# Altium PCB Reefing System Layout.PcbDoc (part 3 of 3)
Units mil, origin at the board's own origin, x right, y up, seen from the top; angles counter-clockwise.
Board outline 5531.5 x 3129.92 mil, 4 copper layers (Top Layer, Mid-Layer 1, Mid-Layer 2, Bottom Layer), stack 62.135 mil thick; 116 components, 90 nets, 494 pads, 985 vias.
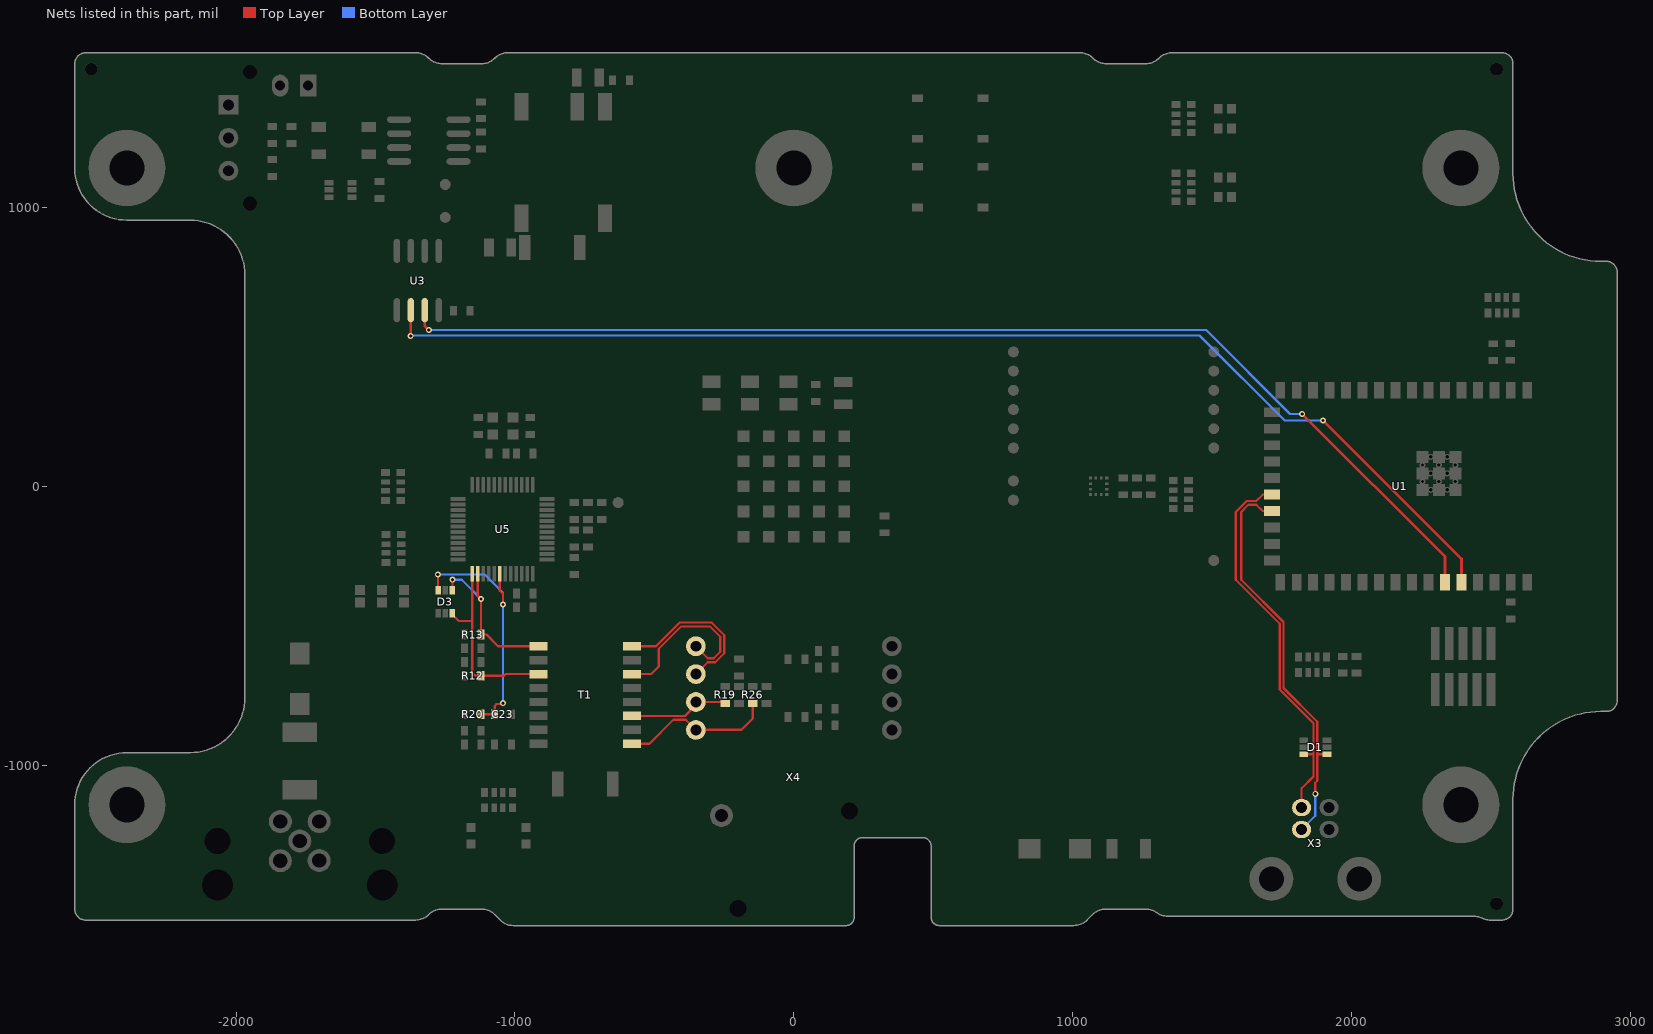
[diagram p5: the nets of this part, all layers, seen from the top]

## Via types
v1: diameter 21.65, hole 11.81, Top Layer to Bottom Layer, tented both sides, 902 vias
v2: diameter 24, hole 11.81, Top Layer to Bottom Layer, tented both sides, 80 vias
v3: diameter 24.41, hole 11.81, Top Layer to Bottom Layer, tented both sides, 3 vias

## Nets (pads, with @x,y where several pads share a name; then routed paths per layer and width w, separated by ;. In a path a pad name is that pad's centre, name@x,y a point inside that pad or via, vN(x,y) a via of type N, cw(c..) or ccw(c..) an arc to the next point about the centre after c; other vN are vias at no path point) (continued)
RX_P: C23.1 D3.3 R20.2 U5.6 | length 939.6
  Top Layer w8: v1(-1276.57,-315.94) -1276.08,-316.44 -1276.08,-371.55 D3.3@-1275.59,-372.05 ; R20.2@-1121.57,-816.93 C23.1@-1073.31,-816.93 -1072.83,-816.46 -1072.83,-787.4 -1066.13,-780.7 -1046.45,-780.7 v1(-1043.31,-777.56) ; U5.6@-1054.53,-312.91 -1054.53,-374.24 -1043.31,-385.46 v1(-1043.31,-423.23)
  Bottom Layer w8: v1(-1276.57,-315.94) -1108.83,-315.94 -1043.31,-381.47 v1(-1043.31,-777.56)
RXI_N: R26.1 T1.9 X4.6 | length 554.9
  Top Layer w8: T1.9@-580.51,-923.03 -518,-923.03 -432,-837.03 -387.58,-837.03 X4.6@-351.38,-873.23 -351.18,-873.03 -187.99,-873.03 -147.64,-832.68 R26.1@-147.64,-778.03
RXI_P: R19.2 T1.11 X4.3 | length 363.6
  Top Layer w8: T1.11@-580.51,-823.03 -389.96,-823.03 -351.38,-784.45 X4.3@-351.38,-773.23 -250.87,-773.23 R19.2@-246.06,-778.03
TWAI_RXD: U1.38 U3.6 | length 4277.8
  Top Layer w10: v1(-1374.02,539.37) -1373.72,539.66 -1373.72,631.59 U3.6@-1373.43,631.89 ; v1(1897.64,236.22) 2393.7,-259.84 U1.38@2393.7,-344.49
  Bottom Layer w8: v1(-1374.02,539.37) -1372.05,541.34 1454.73,541.34 1759.84,236.22 v1(1897.64,236.22)
TWAI_TXD: U1.37 U3.7 | length 4149.8
  Top Layer w10: U3.7@-1323.43,631.89 -1323.43,575.39 v1(-1309.05,561.02) ; v1(1822.83,259.84) 2334.65,-251.97 U1.37@2334.65,-344.49
  Bottom Layer w8: v1(-1309.05,561.02) 1478.35,561.02 1779.53,259.84 v1(1822.83,259.84)
TX_N: D3.6 R12.1 T1.3 U5.1 | length 685.9
  Top Layer w8: D3.6@-1224.41,-454.72 -1224.41,-460.63 -1202.76,-482.28 -1152.95,-482.28 ; U5.1@-1152.95,-312.91 -1152.95,-482.28 ; T1.3@-915.55,-673.03 -1033.46,-673.03 -1039.57,-679.13 R12.1@-1121.57,-679.13 -1141.73,-679.13 -1152.95,-667.91 -1152.95,-482.28
TX_P: D3.1 R13.1 T1.1 U5.2 | length 615.6
  Top Layer w8: D3.1@-1224.41,-372.05 v1(-1224.41,-334.64) ; U5.2@-1133.27,-312.91 -1133.27,-392.32 v1(-1121.57,-404.01) R13.1@-1121.57,-531.5 -1102.36,-531.5 -1060.83,-573.03 T1.1@-915.55,-573.03
  Bottom Layer w8: v1(-1224.41,-334.64) -1190.94,-334.64 v1(-1121.57,-404.01)
TXI_N: T1.14 X4.2 | length 608.4
  Top Layer w8: T1.14@-580.51,-673.03 -511.61,-673.03 -484.25,-645.67 -484.25,-582.68 -403.54,-501.97 -301.18,-501.97 -263.78,-539.37 -263.78,-592.61 -287.4,-616.23 -308.38,-616.23 X4.2@-351.38,-573.23
TXI_P: T1.16 X4.1 | length 582.3
  Top Layer w8: T1.16@-580.51,-573.03 -494.4,-573.03 -439.03,-517.66 -413.44,-492.07 -409.34,-487.97 -295.38,-487.97 -291.28,-492.07 -249.78,-533.57 -249.78,-598.41 -281.6,-630.23 -308.38,-630.23 X4.1@-351.38,-673.23
USB_D_N: D1.6 U1.22 X3.2 | length 1383.4
  Top Layer w8: U1.22@1714.57,-29.53 1681.04,-29.53 1658.51,-52.05 1624.12,-52.05 1584.65,-91.53 1584.65,-334.76 1742.13,-492.24 1742.13,-728.46 1863.19,-849.52 1863.19,-960.63 ; X3.2@1820.87,-1151.97 1820.87,-1082.68 1863.19,-1040.35 1863.19,-960.63 ; D1.6@1828.74,-960.63 1863.19,-960.63
USB_D_P: D1.1 U1.23 X3.3 | length 1440.4
  Top Layer w8: U1.23@1714.57,-88.58 1681.04,-88.58 1658.51,-66.05 1629.92,-66.05 1604.33,-91.65 1604.33,-334.65 1756.13,-486.44 1756.13,-722.66 1877.19,-843.72 1877.19,-960.63 ; X3.3@1820.47,-1230.31 X3.3@1820.87,-1230.71 ; v1(1870.08,-1102.36) 1870.08,-1062.99 1877.19,-1055.88 1877.19,-960.63 ; D1.1@1911.42,-960.63 1877.19,-960.63
  Bottom Layer w8: X3.3@1820.87,-1230.71 1870.08,-1181.5 v1(1870.08,-1102.36)
pads on no net: D1.3 D1.4 D1.5 D2.3 D2.4 D2.5 D3.5 R1.4 R1.5 R2.2 R2.3 R2.6 R2.7 R3.1 R3.8 R7.4 R7.5 R8.4 R8.5 R9.3 R9.4 R9.5 R9.6 R27.4 R27.5 R28.4 R28.5 T1.4 T1.5 T1.12 T1.13 U1.10 U1.11 U1.12 U1.14 U1.19 U1.27 U1.39 U1.40 U2.8 U4.5 U5.7 U5.12 U5.13 U5.18 U5.23 U5.24 U5.26 U5.38 U5.39 U5.40 U5.41 U5.42 U5.46 U5.47 U6.C1 U6.D1 U6.E1 U6.E2 U6.E5 X1.NC X2.NC X3.NC X4.NC X5.7
copper on no net:
  other v2: -2391.73,-1240.16 2391.73,-1240.16 -2429.4,-1232.66 -2354.07,-1232.66 2354.07,-1232.66 2429.4,-1232.66 -2461.33,-1211.33 -2322.14,-1211.33 2322.14,-1211.33 2461.33,-1211.33 -2482.67,-1179.4 -2300.8,-1179.4 2300.8,-1179.4 2482.67,-1179.4 -2490.16,-1141.73 -2293.31,-1141.73 2293.31,-1141.73 2490.16,-1141.73 -2482.67,-1104.07 -2300.8,-1104.07 2300.8,-1104.07 2482.67,-1104.07 -2461.33,-1072.13 -2322.14,-1072.13 2322.14,-1072.13 2461.33,-1072.13 -2429.4,-1050.8 -2354.07,-1050.8 2354.07,-1050.8 2429.4,-1050.8 -2391.73,-1043.31 2391.73,-1043.31 -2391.73,1043.31 0,1043.31 2391.73,1043.31 -2429.4,1050.8 -2354.07,1050.8 -37.67,1050.8 37.67,1050.8 2354.07,1050.8 2429.4,1050.8 -2461.33,1072.14 -2322.14,1072.14 -69.6,1072.14 69.6,1072.14 2322.14,1072.13 2461.33,1072.13 -2482.67,1104.07 -2300.8,1104.07 -90.93,1104.07 90.93,1104.07 2300.8,1104.07 2482.67,1104.07 -2490.16,1141.73 -2293.31,1141.73 -98.43,1141.73 98.43,1141.73 2293.31,1141.73 2490.16,1141.73 -2482.67,1179.4 -2300.8,1179.4 -90.93,1179.4 90.93,1179.4 2300.8,1179.4 2482.67,1179.4 -2461.33,1211.33 -2322.14,1211.33 -69.6,1211.33 69.6,1211.33 2322.14,1211.33 2461.33,1211.33 -2429.4,1232.67 -2354.07,1232.67 -37.67,1232.67 37.67,1232.67 2354.07,1232.66 2429.4,1232.66 -2391.73,1240.16 0,1240.16 2391.73,1240.16

## Polygon pours and split planes (outlines as drawn)
GND on Top Layer "GND_L01_P021" (solid, remove dead copper, pour order 21): -1968.5,679.13 -911.42,679.13 ccw(c-911.42,783.46) -807.09,783.46 -807.09,1555.12 1025.31,1555.12 cw(c1025.32,1487.94) 1072.83,1535.43 ccw(c1120.36,1582.96) 1120.36,1515.75 1261.53,1515.75 ccw(c1261.53,1582.95) 1309.06,1535.43 cw(c1356.57,1487.92) 1356.58,1555.12 2539.37,1555.12 cw(c2539.37,1515.75) 2578.74,1515.75 2578.74,1122.05 ccw(c2893.7,1122.05) 2893.7,807.09 2913.39,807.09 cw(c2913.39,767.72) 2952.76,767.72 2952.76,-767.72 cw(c2913.39,-767.72) 2913.39,-807.09 2893.7,-807.09 ccw(c2893.7,-1122.05) 2578.74,-1122.05 2578.74,-1515.75 cw(c2539.38,-1515.75) 2539.37,-1555.12 1356.58,-1555.12 cw(c1356.58,-1487.91) 1309.06,-1535.43 ccw(c1261.55,-1582.92) 1261.53,-1515.75 1120.36,-1515.75 ccw(c1120.35,-1582.93) 1072.83,-1535.43 1054.34,-1553.92 cw(c1003.94,-1503.53) 1003.94,-1574.8 629.92,-1574.8 629.92,-468.42 ccw(c493.69,-469.82) 589.03,-372.49 531.5,-314.96 ccw(c434.12,-415.64) 431.76,-275.59 -608.02,-275.59 ccw(c-611.17,-415.9) -708.17,-314.46 -768.19,-374.49 ccw(c-674.81,-468.18) -807.09,-467.96 -807.09,-1574.8 -1005.63,-1574.8 cw(c-1005.63,-1507.59) -1053.15,-1555.12 -1071.64,-1536.63 ccw(c-1122.03,-1586.98) -1122.05,-1515.75 -1261.53,-1515.75 ccw(c-1261.55,-1582.91) -1309.06,-1535.43 cw(c-1356.57,-1487.94) -1356.58,-1555.12 -2539.37,-1555.12 cw(c-2539.37,-1515.75) -2578.74,-1515.75 -2578.74,-1141.73 cw(c-2391.73,-1141.73) -2391.73,-954.72 -2165.35,-954.72 ccw(c-2165.35,-757.87) -1968.5,-757.87
NetC28_2 on Top Layer "NETC28_2_L01_P012" (solid, remove dead copper, pour order 12): -1732.28,-639.76 -1811.02,-639.76 -1830.71,-600.39 -1830.71,-541.34 -1830.71,-442.91 -1712.6,-442.91 -1712.6,-541.34 -1712.6,-600.39
EGND on Top Layer "EGND_L01_P033" (solid, remove dead copper, pour order 33): -688.98,-1574.8 -688.98,-476.52 cw(c-655.37,-476.52) -679.13,-452.76 -629.82,-403.44 cw(c-606.3,-426.97) -606.3,-393.7 428.99,-393.7 cw(c428.99,-427.31) 452.76,-403.54 503.46,-454.25 cw(c483.3,-474.41) 511.81,-474.41 511.81,-1574.8
CAN_GND on Top Layer "CAN_GND_L01_P025" (solid, remove dead copper, pour order 25): -925.2,797.24 -1972.44,797.24 -1977.36,814.96 -1979.33,821.85 -1981.3,826.77 -1986.22,838.58 -1988.19,843.5 -1989.17,845.47 -1993.11,852.36 -1998.03,861.22 -2002.95,869.09 -2013.78,882.87 -2016.73,886.81 -2030.51,900.59 -2035.43,905.51 -2049.21,916.34 -2054.13,920.28 -2068.9,929.13 -2077.76,934.06 -2096.46,941.93 -2101.38,943.9 -2125.98,950.79 -2141.73,952.76 -2148.62,953.74 -2158.46,954.72 -2382.96,954.72 cw(c-2392.77,1140.69) -2578.74,1130.88 -2578.74,1515.75 cw(c-2539.37,1515.75) -2539.37,1555.12 -1356.58,1555.12 cw(c-1356.58,1487.92) -1309.06,1535.43 ccw(c-1261.53,1582.96) -1261.53,1515.75 -1120.36,1515.75 ccw(c-1120.36,1582.96) -1072.83,1535.43 cw(c-1025.31,1487.91) -1025.31,1555.12 -925.2,1555.12
NetC28_2 on Top Layer "NETC28_2_L01_P013" (solid, remove dead copper, pour order 13): -423.23,397.64 -423.23,349.41 -29.53,349.41 -29.53,334.65 19.69,334.65 19.69,275.59 78.74,275.59 78.74,397.64
3V3 on Top Layer "3V3_L01_P002" (solid, pour order 2): -29.53,-147.64 344.49,-147.64 344.49,-275.59 -29.53,-275.59
NetF1_1 on Top Layer "NETF1_1_L01_P000" (solid, pour order 0): -1850.39,-1039.37 -1881.89,-1070.87 -1881.89,-1248.03 -1822.83,-1248.03 -1795.28,-1220.47 -1748.03,-1220.47 -1720.47,-1248.03 -1657.48,-1248.03 -1657.48,-1102.36 -1720.47,-1039.37
NetC28_2 on Top Layer "NETC28_2_L01_P014" (solid, pour order 14): -423.23,364.17 -423.23,275.59 -344.49,275.59 -344.49,364.17
no net on Top Overlay (solid): -807.09,-1574.8 -807.09,-469.06 cw(c-672.67,-469.06) -767.72,-374.02 -711.05,-317.35 cw(c-610.24,-418.16) -610.24,-275.59 -88.58,-275.59 -88.58,-393.7 -606.16,-393.7 ccw(c-606.16,-427.31) -629.92,-403.54 -680.76,-454.38 ccw(c-660.92,-474.22) -688.98,-474.22 -688.98,-1574.8
no net on Top Overlay (solid): -1972.44,797.24 -1971.46,790.35 -1970.47,781.5 -1969.49,774.61 -1969,771 -1968.5,759.84 -1968.5,679.13 -911.42,679.13 ccw(c-911.42,783.46) -807.09,783.46 -807.09,1555.12 -925.2,1555.12 -925.2,797.24
no net on Top Overlay (solid): 629.92,-1574.8 629.92,-469.06 ccw(c495.5,-469.06) 590.55,-374.02 533.88,-317.35 ccw(c433.07,-418.16) 433.07,-275.59 -88.58,-275.59 -88.58,-393.7 428.99,-393.7 cw(c428.99,-427.31) 452.76,-403.54 503.59,-454.38 cw(c483.76,-474.22) 511.81,-474.22 511.81,-1574.8
3V3 on Mid-Layer 2 "3V3_L03_P040" (solid, remove dead copper, pour order 40): -1968.5,679.13 -911.42,679.13 ccw(c-911.42,783.46) -807.09,783.46 -807.09,1555.12 1025.31,1555.12 cw(c1025.32,1487.94) 1072.83,1535.43 ccw(c1120.36,1582.96) 1120.36,1515.75 1261.53,1515.75 ccw(c1261.53,1582.95) 1309.06,1535.43 cw(c1356.57,1487.92) 1356.58,1555.12 2539.37,1555.12 cw(c2539.37,1515.75) 2578.74,1515.75 2578.74,1122.05 ccw(c2893.7,1122.05) 2893.7,807.09 2913.39,807.09 cw(c2913.39,767.72) 2952.76,767.72 2952.76,-767.72 cw(c2913.39,-767.72) 2913.39,-807.09 2893.7,-807.09 ccw(c2893.7,-1122.05) 2578.74,-1122.05 2578.74,-1515.75 cw(c2539.38,-1515.75) 2539.37,-1555.12 1356.58,-1555.12 cw(c1356.58,-1487.91) 1309.06,-1535.43 ccw(c1261.55,-1582.92) 1261.53,-1515.75 1120.36,-1515.75 ccw(c1120.35,-1582.93) 1072.83,-1535.43 1054.34,-1553.92 cw(c1003.94,-1503.53) 1003.94,-1574.8 629.92,-1574.8 629.92,-468.42 ccw(c493.69,-469.82) 589.03,-372.49 531.5,-314.96 ccw(c434.12,-415.64) 431.76,-275.59 -608.02,-275.59 ccw(c-611.17,-415.9) -708.17,-314.46 -768.19,-374.49 ccw(c-674.81,-468.18) -807.09,-467.96 -807.09,-1574.8 -1005.63,-1574.8 cw(c-1005.63,-1507.59) -1053.15,-1555.12 -1071.64,-1536.63 ccw(c-1122.03,-1586.98) -1122.05,-1515.75 -1261.53,-1515.75 ccw(c-1261.55,-1582.91) -1309.06,-1535.43 cw(c-1356.57,-1487.94) -1356.58,-1555.12 -2539.37,-1555.12 cw(c-2539.37,-1515.75) -2578.74,-1515.75 -2578.74,-1141.73 cw(c-2391.73,-1141.73) -2391.73,-954.72 -2165.35,-954.72 ccw(c-2165.35,-757.87) -1968.5,-757.87
EGND on Mid-Layer 2 "EGND_L03_P036" (solid, remove dead copper, pour order 36): -688.98,-1574.8 -688.98,-476.52 cw(c-655.37,-476.52) -679.13,-452.76 -629.82,-403.44 cw(c-606.3,-426.97) -606.3,-393.7 428.99,-393.7 cw(c428.99,-427.31) 452.76,-403.54 503.46,-454.25 cw(c483.3,-474.41) 511.81,-474.41 511.81,-1574.8
CAN_GND on Mid-Layer 2 "CAN_GND_L03_P029" (solid, remove dead copper, pour order 29): -925.2,797.24 -1972.44,797.24 -1977.36,814.96 -1979.33,821.85 -1981.3,826.77 -1986.22,838.58 -1988.19,843.5 -1989.17,845.47 -1993.11,852.36 -1998.03,861.22 -2002.95,869.09 -2013.78,882.87 -2016.73,886.81 -2030.51,900.59 -2035.43,905.51 -2049.21,916.34 -2054.13,920.28 -2068.9,929.13 -2077.76,934.06 -2096.46,941.93 -2101.38,943.9 -2125.98,950.79 -2141.73,952.76 -2148.62,953.74 -2158.46,954.72 -2382.96,954.72 cw(c-2392.77,1140.69) -2578.74,1130.88 -2578.74,1515.75 cw(c-2539.37,1515.75) -2539.37,1555.12 -1356.58,1555.12 cw(c-1356.58,1487.92) -1309.06,1535.43 ccw(c-1261.53,1582.96) -1261.53,1515.75 -1120.36,1515.75 ccw(c-1120.36,1582.96) -1072.83,1535.43 cw(c-1025.31,1487.91) -1025.31,1555.12 -925.2,1555.12
NetC28_2 on Mid-Layer 2 "NETC28_2_L03_P005" (solid, remove dead copper, pour order 5): -1830.71,-639.76 -1712.6,-639.76 -1712.6,-137.8 -1299.21,275.59 -344.49,275.59 -344.49,354.33 -1358.27,354.33 -1830.71,-118.11
GND on Mid-Layer 1 "GND_L02_P039" (solid, remove dead copper, pour order 39): -1968.5,679.13 -911.42,679.13 ccw(c-911.42,783.46) -807.09,783.46 -807.09,1555.12 1025.31,1555.12 cw(c1025.32,1487.94) 1072.83,1535.43 ccw(c1120.36,1582.96) 1120.36,1515.75 1261.53,1515.75 ccw(c1261.53,1582.95) 1309.06,1535.43 cw(c1356.57,1487.92) 1356.58,1555.12 2539.37,1555.12 cw(c2539.37,1515.75) 2578.74,1515.75 2578.74,1122.05 ccw(c2893.7,1122.05) 2893.7,807.09 2913.39,807.09 cw(c2913.39,767.72) 2952.76,767.72 2952.76,-767.72 cw(c2913.39,-767.72) 2913.39,-807.09 2893.7,-807.09 ccw(c2893.7,-1122.05) 2578.74,-1122.05 2578.74,-1515.75 cw(c2539.38,-1515.75) 2539.37,-1555.12 1356.58,-1555.12 cw(c1356.58,-1487.91) 1309.06,-1535.43 ccw(c1261.55,-1582.92) 1261.53,-1515.75 1120.36,-1515.75 ccw(c1120.35,-1582.93) 1072.83,-1535.43 1054.34,-1553.92 cw(c1003.94,-1503.53) 1003.94,-1574.8 629.92,-1574.8 629.92,-468.42 ccw(c493.69,-469.82) 589.03,-372.49 531.5,-314.96 ccw(c434.12,-415.64) 431.76,-275.59 -608.02,-275.59 ccw(c-611.17,-415.9) -708.17,-314.46 -768.19,-374.49 ccw(c-674.81,-468.18) -807.09,-467.96 -807.09,-1574.8 -1005.63,-1574.8 cw(c-1005.63,-1507.59) -1053.15,-1555.12 -1071.64,-1536.63 ccw(c-1122.03,-1586.98) -1122.05,-1515.75 -1261.53,-1515.75 ccw(c-1261.55,-1582.91) -1309.06,-1535.43 cw(c-1356.57,-1487.94) -1356.58,-1555.12 -2539.37,-1555.12 cw(c-2539.37,-1515.75) -2578.74,-1515.75 -2578.74,-1141.73 cw(c-2391.73,-1141.73) -2391.73,-954.72 -2165.35,-954.72 ccw(c-2165.35,-757.87) -1968.5,-757.87
EGND on Mid-Layer 1 "EGND_L02_P034" (solid, remove dead copper, pour order 34): -688.98,-1574.8 -688.98,-476.52 cw(c-655.37,-476.52) -679.13,-452.76 -629.82,-403.44 cw(c-606.3,-426.97) -606.3,-393.7 428.99,-393.7 cw(c428.99,-427.31) 452.76,-403.54 503.46,-454.25 cw(c483.3,-474.41) 511.81,-474.41 511.81,-1574.8
CAN_GND on Mid-Layer 1 "CAN_GND_L02_P026" (solid, remove dead copper, pour order 26): -925.2,797.24 -1972.44,797.24 -1977.36,814.96 -1979.33,821.85 -1981.3,826.77 -1986.22,838.58 -1988.19,843.5 -1989.17,845.47 -1993.11,852.36 -1998.03,861.22 -2002.95,869.09 -2013.78,882.87 -2016.73,886.81 -2030.51,900.59 -2035.43,905.51 -2049.21,916.34 -2054.13,920.28 -2068.9,929.13 -2077.76,934.06 -2096.46,941.93 -2101.38,943.9 -2125.98,950.79 -2141.73,952.76 -2148.62,953.74 -2158.46,954.72 -2382.96,954.72 cw(c-2392.77,1140.69) -2578.74,1130.88 -2578.74,1515.75 cw(c-2539.37,1515.75) -2539.37,1555.12 -1356.58,1555.12 cw(c-1356.58,1487.92) -1309.06,1535.43 ccw(c-1261.53,1582.96) -1261.53,1515.75 -1120.36,1515.75 ccw(c-1120.36,1582.96) -1072.83,1535.43 cw(c-1025.31,1487.91) -1025.31,1555.12 -925.2,1555.12
GND on Bottom Layer "GND_L04_P038" (solid, remove dead copper, pour order 38): -1968.5,679.13 -911.42,679.13 ccw(c-911.42,783.46) -807.09,783.46 -807.09,1555.12 1025.31,1555.12 cw(c1025.32,1487.94) 1072.83,1535.43 ccw(c1120.36,1582.96) 1120.36,1515.75 1261.53,1515.75 ccw(c1261.53,1582.95) 1309.06,1535.43 cw(c1356.57,1487.92) 1356.58,1555.12 2539.37,1555.12 cw(c2539.37,1515.75) 2578.74,1515.75 2578.74,1122.05 ccw(c2893.7,1122.05) 2893.7,807.09 2913.39,807.09 cw(c2913.39,767.72) 2952.76,767.72 2952.76,-767.72 cw(c2913.39,-767.72) 2913.39,-807.09 2893.7,-807.09 ccw(c2893.7,-1122.05) 2578.74,-1122.05 2578.74,-1515.75 cw(c2539.38,-1515.75) 2539.37,-1555.12 1356.58,-1555.12 cw(c1356.58,-1487.91) 1309.06,-1535.43 ccw(c1261.55,-1582.92) 1261.53,-1515.75 1120.36,-1515.75 ccw(c1120.35,-1582.93) 1072.83,-1535.43 1054.34,-1553.92 cw(c1003.94,-1503.53) 1003.94,-1574.8 629.92,-1574.8 629.92,-468.42 ccw(c493.69,-469.82) 589.03,-372.49 531.5,-314.96 ccw(c434.12,-415.64) 431.76,-275.59 -608.02,-275.59 ccw(c-611.17,-415.9) -708.17,-314.46 -768.19,-374.49 ccw(c-674.81,-468.18) -807.09,-467.96 -807.09,-1574.8 -1005.63,-1574.8 cw(c-1005.63,-1507.59) -1053.15,-1555.12 -1071.64,-1536.63 ccw(c-1122.03,-1586.98) -1122.05,-1515.75 -1261.53,-1515.75 ccw(c-1261.55,-1582.91) -1309.06,-1535.43 cw(c-1356.57,-1487.94) -1356.58,-1555.12 -2539.37,-1555.12 cw(c-2539.37,-1515.75) -2578.74,-1515.75 -2578.74,-1141.73 cw(c-2391.73,-1141.73) -2391.73,-954.72 -2165.35,-954.72 ccw(c-2165.35,-757.87) -1968.5,-757.87
EGND on Bottom Layer "EGND_L04_P035" (solid, remove dead copper, pour order 35): -688.98,-1574.8 -688.98,-476.52 cw(c-655.37,-476.52) -679.13,-452.76 -629.82,-403.44 cw(c-606.3,-426.97) -606.3,-393.7 428.99,-393.7 cw(c428.99,-427.31) 452.76,-403.54 503.46,-454.25 cw(c483.3,-474.41) 511.81,-474.41 511.81,-1574.8
CAN_GND on Bottom Layer "CAN_GND_L04_P032" (solid, remove dead copper, pour order 32): -925.2,797.24 -1972.44,797.24 -1977.36,814.96 -1979.33,821.85 -1981.3,826.77 -1986.22,838.58 -1988.19,843.5 -1989.17,845.47 -1993.11,852.36 -1998.03,861.22 -2002.95,869.09 -2013.78,882.87 -2016.73,886.81 -2030.51,900.59 -2035.43,905.51 -2049.21,916.34 -2054.13,920.28 -2068.9,929.13 -2077.76,934.06 -2096.46,941.93 -2101.38,943.9 -2125.98,950.79 -2141.73,952.76 -2148.62,953.74 -2158.46,954.72 -2382.96,954.72 cw(c-2392.77,1140.69) -2578.74,1130.88 -2578.74,1515.75 cw(c-2539.37,1515.75) -2539.37,1555.12 -1356.58,1555.12 cw(c-1356.58,1487.92) -1309.06,1535.43 ccw(c-1261.53,1582.96) -1261.53,1515.75 -1120.36,1515.75 ccw(c-1120.36,1582.96) -1072.83,1535.43 cw(c-1025.31,1487.91) -1025.31,1555.12 -925.2,1555.12

## Keep-outs
Keep-Out Layer:
  circle w10: c0,1141.73 r157.48
  circle w10: c0,-1141.73 r157.48
  pour cut-out: -157.48,-1141.73 cw(c0,-1141.73) 0,-984.25 cw(c0,-1141.73) 157.48,-1141.73 cw(c0,-1141.73) 0,-1299.21 cw(c0,-1141.73)
  lines w10: -2165.35,-974.67 -2195.15,-974.67 ccw(c-2195.15,-1013.78) -2234.25,-1013.78 -2234.25,-1141.73 cw(c-2391.73,-1141.73) -2391.73,-1299.21 -2519.68,-1299.21 ccw(c-2519.68,-1338.32) -2558.79,-1338.32 -2558.79,-1515.7 ccw(c-2540.52,-1515.7) -2540.52,-1533.96 -1358.77,-1535.43 ccw(c-1358.77,-1487.91) -1325.16,-1521.51 -1320.22,-1516.57 cw(c-1270.71,-1566.08) -1270.71,-1496.06 -1191.44,-1496.06 -1112.18,-1496.06 cw(c-1112.18,-1566.08) -1062.67,-1516.57 -1038.39,-1540.85 ccw(c-1003.94,-1506.39) -1003.94,-1555.12 ; -2165.35,-974.41 ccw(c-2165.35,-757.87) -1948.82,-757.87 -1948.81,0 -1948.82,757.87 ccw(c-2165.35,757.87) -2165.35,974.41 ; -2165.35,974.68 -2195.15,974.68 cw(c-2195.15,1013.78) -2234.25,1013.78 -2234.25,1141.73 ccw(c-2391.73,1141.73) -2391.73,1299.21 -2519.68,1299.21 cw(c-2519.68,1338.32) -2558.79,1338.32 -2558.79,1515.7 cw(c-2540.52,1515.7) -2540.52,1533.96 -1358.77,1535.43 cw(c-1358.77,1487.91) -1325.16,1521.51 -1320.22,1516.57 ccw(c-1270.71,1566.08) -1270.71,1496.06 -1191.44,1496.06 -1112.18,1496.06 ccw(c-1112.18,1566.08) -1062.67,1516.57 -1057.72,1521.51 cw(c-1024.12,1487.91) -1024.12,1535.43 0,1535.43 1024.12,1535.43 cw(c1024.12,1487.91) 1057.72,1521.51 1062.67,1516.57 ccw(c1112.18,1566.08) 1112.18,1496.06 1191.44,1496.06 1270.71,1496.06 ccw(c1270.71,1566.08) 1320.22,1516.57 1325.16,1521.51 cw(c1358.77,1487.91) 1358.77,1535.43 2540.52,1533.96 cw(c2540.52,1515.7) 2558.79,1515.7 2558.79,1338.32 cw(c2519.68,1338.32) 2519.68,1299.21 2391.73,1299.21 ccw(c2391.73,1141.73) 2391.73,984.25 2524.61,984.25 ; -1004.01,-1555.12 0,-1555.12 177.17,-1555.12 ccw(c177.17,-1535.43) 196.85,-1535.43 196.85,-1289.37 cw(c246.06,-1289.37) 246.06,-1240.16 462.6,-1240.16 cw(c462.6,-1289.37) 511.81,-1289.37 511.81,-1535.43 ccw(c531.5,-1535.43) 531.5,-1555.12 1003.87,-1555.12 ccw(c1003.87,-1506.39) 1038.32,-1540.85 1062.6,-1516.57 ; 1057.72,-1521.51 1062.67,-1516.57 cw(c1112.18,-1566.08) 1112.18,-1496.06 1191.44,-1496.06 1270.67,-1496.06 cw(c1270.67,-1566.08) 1310.4,-1508.43 ; 1311.64,-1509.29 ccw(c1351.38,-1451.64) 1351.38,-1521.65 2441.93,-1521.65 cw(c2441.93,-1591.67) 2467.7,-1526.57 2473.25,-1529.05 ccw(c2499.02,-1463.95) 2499.02,-1533.96 2540.52,-1533.96 ccw(c2540.52,-1515.7) 2558.79,-1515.7 2558.79,-1338.32 ccw(c2519.68,-1338.32) 2519.68,-1299.21 2391.73,-1299.21 cw(c2391.73,-1141.73) 2391.73,-984.25 2524.61,-984.25 ; 2524.12,-984.25 ccw(c2524.12,-873.67) 2615.02,-936.64 ; 2524.12,984.25 cw(c2524.12,873.67) 2615.02,936.64 ; 2615.29,-936.37 cw(c2893.7,-1122.05) 2893.7,-787.4 2913.39,-787.4 ccw(c2913.39,-764.33) 2936.46,-764.33 2933.07,0 2936.46,764.33 ccw(c2913.39,764.33) 2913.39,787.4 2893.7,787.4 cw(c2893.7,1122.05) 2615.29,936.37 ; 2681.1,-866.14 2681.1,-354.33 ; 2681.1,350.39 2681.1,862.2 ; -797.24,-531.5 -797.24,-531.5

## Other copper
Top Layer:
  rectangle net GND: -826.77,-570.87 -807.09,-501.97
Mid-Layer 1:
  rectangle net GND: 2204.72,-39.37 2401.57,157.48
Bottom Layer:
  rectangle net GND: 2204.72,-39.37 2401.57,157.48

## Silkscreen, mask and mechanical layers (free items; w line width, h text height)
Top Overlay:
  drawing of 18 lines, arcs and shapes, not listed
  text "TERMINATION" at -1677.17,1402.56 h32
  text "CAN" at -2470.47,1377.95 h196.85
  text "G" at -2460.63,1348.43 h32
  text "RESET" at 748.03,1279.53 h196.85
  text "STATUS" at 1643.7,1279.53 h196.85
  text "L" at -2460.63,1230.31 h32
  text "H" at -2460.63,1112.2 h32
  text "BOOT" at 748.03,1033.46 h196.85
  text "CAN-BUS" at 1643.7,1033.46 h196.85
  text "Fleet-Monitor V1.0" at 748.03,807.09 h94.49
  text "13.10.2021" at 1673.23,807.09 h94.49
  text "Luca Jost" at 1722.44,698.82 h94.49
  text "Florian Baumgartner" at 748.03,694.76 h94.49
  text "Ostschweizer Fachhochschule OST" at 748.03,590.55 h94.49
  text "ACC_CS" at 1178.94,456.95 h32
  text "ETH_RST" at 460.44,455.97 h32
  text "ACC_MOSI" at 1178.94,388.06 h32
  text "ETH_INT" at 460.44,387.07 h32
  text "ACC_SCLK" at 1178.94,319.16 h32
  text "ETH_MOSI" at 460.44,318.17 h32
  text "ACC_MISO" at 1178.94,250.26 h32
  text "ETH_MISO" at 460.44,249.28 h32
  text "ACC_INT1" at 1178.94,181.36 h32
  text "ETH_SCLK" at 460.44,180.38 h32
  text "ACC_INT2" at 1178.94,112.46 h32
  text "ETH_CS" at 460.44,111.48 h32
  text "3V3" at 460.44,-2.69 h32
  text "GND" at 460.44,-71.59 h32
  text "BMEM" at 1178.94,-288.13 h32
  text "LAN" at -108.27,-511.81 h196.85
  text "JTAG" at 2240.29,-875.98 h40
  text "LINK" at -1300.2,-1393.7 h32
  text "ACT" at -1103.35,-1393.7 h32
  text "5 - 30V" at -2519.68,-1456.69 h196.85
Top Solder:
  drawing of 4 lines, arcs and shapes, not listed
Mechanical 1:
  lines w10: -1968.5,-757.87 cw(c-2165.35,-757.87) -2165.35,-954.72 -2391.73,-954.72 ccw(c-2391.73,-1141.73) -2578.74,-1141.73 -2578.74,-1515.75 ccw(c-2539.37,-1515.75) -2539.37,-1555.12 -1356.58,-1555.12 ccw(c-1356.58,-1487.91) -1309.06,-1535.43 cw(c-1261.53,-1582.96) -1261.53,-1515.75 -1190.94,-1515.75 -1120.36,-1515.75 cw(c-1120.36,-1582.96) -1072.83,-1535.43 -1053.15,-1555.12 ; -1968.5,-757.87 -1968.5,0 -1968.5,757.87 ccw(c-2165.35,757.87) -2165.35,954.72 -2391.73,954.73 cw(c-2391.73,1141.73) -2578.74,1141.73 -2578.74,1515.75 cw(c-2539.37,1515.75) -2539.37,1555.12 -1356.58,1555.12 cw(c-1356.58,1487.91) -1309.06,1535.43 ccw(c-1261.53,1582.96) -1261.53,1515.75 -1190.94,1515.75 -1120.36,1515.75 ccw(c-1120.36,1582.96) -1072.83,1535.43 cw(c-1025.31,1487.91) -1025.31,1555.12 0,1555.12 1025.31,1555.12 cw(c1025.31,1487.91) 1072.83,1535.43 ccw(c1120.36,1582.96) 1120.36,1515.75 1190.95,1515.75 1261.53,1515.75 ccw(c1261.53,1582.96) 1309.06,1535.43 cw(c1356.58,1487.91) 1356.58,1555.12 2539.37,1555.12 cw(c2539.37,1515.75) 2578.74,1515.75 2578.74,1122.05 ccw(c2893.7,1122.05) 2893.7,807.09 2913.39,807.09 cw(c2913.39,767.72) 2952.76,767.72 2952.76,0 2952.76,-767.72 cw(c2913.39,-767.72) 2913.39,-807.09 2893.7,-807.09 ccw(c2893.7,-1122.05) 2578.74,-1122.05 2578.74,-1515.75 cw(c2539.37,-1515.75) 2539.37,-1555.12 2498.31,-1555.12 cw(c2498.31,-1487.91) 2468.97,-1548.37 ccw(c2439.63,-1608.84) 2439.63,-1541.63 1870.08,-1541.63 ; -779.17,-474.84 cw(c-658.46,-474.84) -743.81,-389.48 -694.8,-340.47 cw(c-609.45,-425.83) -609.45,-305.12 ; -779.01,-474.84 -779.01,-1240.16 ccw(c-749.49,-1240.16) -719.96,-1240.16 -719.96,-474.05 ; -720.11,-474.05 cw(c-660.36,-474.05) -702.61,-431.8 -652.49,-381.68 cw(c-610.24,-423.93) -610.24,-364.17 -511.81,-364.17 ccw(c-511.81,-334.65) -511.81,-305.12 -609.45,-305.12 ; 542.79,-474.05 542.79,-1092.52 ccw(c572.32,-1092.52) 601.85,-1092.52 601.85,-474.84 ; 542.95,-474.05 ccw(c483.19,-474.05) 525.44,-431.8 475.32,-381.68 ccw(c433.07,-423.93) 433.07,-364.17 334.65,-364.17 cw(c334.65,-334.65) 334.65,-305.12 432.28,-305.12 ; 602,-474.84 ccw(c481.29,-474.84) 566.65,-389.48 517.64,-340.47 ccw(c432.28,-425.83) 432.28,-305.12 ; 1118.67,-1515.75 ccw(c1118.67,-1582.96) 1071.15,-1535.43 1051.46,-1555.12 cw(c1003.94,-1507.6) 1003.94,-1574.8 521.65,-1574.8 cw(c521.65,-1545.28) 492.13,-1545.28 492.13,-1289.37 ccw(c462.6,-1289.37) 462.6,-1259.84 246.06,-1259.84 ccw(c246.06,-1289.37) 216.54,-1289.37 216.54,-1545.28 cw(c187.01,-1545.28) 187.01,-1574.8 0,-1574.8 -1005.63,-1574.8 cw(c-1005.63,-1507.59) -1053.15,-1555.12 ; 1120.36,-1515.75 1190.95,-1515.75 1261.53,-1515.75 cw(c1261.53,-1582.96) 1299.36,-1527.4 1302.73,-1529.69 ccw(c1340.55,-1474.13) 1340.55,-1541.34 1870.08,-1541.34 ; -1053.15,-1555.12 -1053.15,-1555.12 ; -609.45,-305.12 -609.45,-305.12 ; 432.28,-305.12 432.28,-305.12 ; -1742.13,708.66 cw(c-1742.13,738.19) -1742.13,767.72 -1210.63,767.72 cw(c-1210.63,738.19) -1210.63,708.66 -1742.13,708.66 ; -1023.62,708.66 cw(c-1023.62,738.19) -1023.62,767.72 -925.2,767.72 ccw(c-925.2,797.24) -895.67,797.24 -895.67,1407.48 cw(c-866.14,1407.48) -836.61,1407.48 -836.61,791.97 cw(c-919.92,791.97) -919.92,708.66 -1023.62,708.66 ; -334.65,-364.17 cw(c-334.65,-334.65) -334.65,-305.12 157.48,-305.12 cw(c157.48,-334.65) 157.48,-364.17 -334.65,-364.17
Mechanical 4:
  drawing of 172 lines, arcs and shapes, not listed
Mechanical 15:
  lines w5: -5593.7,-2509.45 -5393.7,-2509.45 ; -5593.7,-609.45 -5393.7,-609.45 ; -5593.7,1290.55 -5393.7,1290.55 ; -5393.7,-3909.45 -893.7,-3909.45 ; -5393.7,-3609.45 -893.7,-3609.45 ; -4493.7,-4209.45 -4493.7,-3609.45 ; -2718.7,-4409.45 -2718.7,-4209.45 ; -2718.7,2990.55 -2718.7,3190.55 ; -2393.7,-4209.45 -2393.7,-3609.45 -2393.7,-3009.45 ; -2393.7,-3309.45 -893.7,-3309.45 ; 156.3,-4409.45 156.3,-4209.45 ; 156.3,2990.55 156.3,3190.55 ; 506.3,-4209.45 -893.7,-4209.45 ; 3031.3,-4409.45 3031.3,-4209.45 ; 3031.3,2990.55 3031.3,3190.55 ; 5315.75,-2519.68 5515.75,-2519.68 ; 5315.75,-590.55 5515.75,-590.55 ; 5315.75,1299.21 5515.75,1299.21 ; -5393.7,-4209.45 5315.75,-4212.6 5315.75,2992.13 -5393.7,2990.55 -5393.7,-4209.45 ; -5393.7,-4209.45 -893.7,-4209.45 ; -5393.7,-4209.45 -5393.7,-3009.45 -2393.7,-3009.45 ; -2393.7,-3009.45 -893.7,-3009.45 -893.7,-4209.45 ; -5593.7,-4409.45 5512.6,-4409.45 5512.6,3188.98 -5593.7,3190.55 -5593.7,-4409.45
  text "4" at -4130.7,3055.55 h70
  text "3" at -1260.7,3055.55 h70
  text "2" at 1619.3,3055.55 h70
  text "1" at 4479.3,3055.55 h70
  text "A" at 5473.23,2165.35 h70
  text "A" at -5468.7,2149.55 h70
  text "B" at 5433.86,275.59 h70
  text "B" at -5468.7,257.55 h70
  text "C" at -5468.7,-1652.45 h70
  text "C" at 5433.86,-1653.54 h70
  text "TITLE:" at -2443.7,-3109.45 h45
  text "ENGINEER:" at -943.7,-3109.45 h45
  text "F. Baumgartner, L. Jost" at -1002.6,-3260.75 h70
  text "PCB DESIGNER:" at -943.7,-3404.45 h45
  text "Fleet-Monitor" at -2468.15,-3427.76 h157.48
  text "D" at -5468.7,-3542.45 h70
  text "D" at 5433.86,-3543.31 h70
  text "F. Baumgartner, L. Jost" at -1002.6,-3560.75 h70
  text "REV:" at -4543.7,-3709.45 h45
  text "PART NO.:" at -2443.7,-3709.45 h45
  text "DATE:" at -943.7,-3709.45 h45
  text "13.10.2021" at -993.7,-3829.45 h70
  text "V1.0" at -4577.6,-3860.75 h70
  text "1/1" at -2452.6,-3860.75 h70
  text "SCALE:" at -4543.7,-4009.45 h45
  text "DWG NO:" at -2443.7,-4009.45 h45
  text "FILE NAME:" at -943.7,-4009.45 h45
  text "Fleet-Monitor_V1.0.PcbDoc" at -1002.6,-4135.75 h62.99
  text "1:1" at -4577.6,-4160.75 h70
  text "1/1" at -2452.6,-4160.75 h70
  text "4" at -4130.7,-4344.45 h70
  text "3" at -1260.7,-4344.45 h70
  text "2" at 1619.3,-4344.45 h70
  text "1" at 4479.3,-4344.45 h70
Mechanical 16:
  lines w5: -5593.7,-2519.68 -5393.7,-2519.68 ; -5593.7,-590.55 -5393.7,-590.55 ; -5593.7,1299.21 -5393.7,1299.21 ; -3109.25,-4409.45 -3109.25,-4209.45 ; -3109.25,2990.55 -3109.25,3190.55 ; -584.25,-4209.45 815.75,-4209.45 ; -234.25,-4409.45 -234.25,-4209.45 ; -234.25,2990.55 -234.25,3190.55 ; 815.75,-3909.45 5315.75,-3909.45 ; 815.75,-3609.45 5315.75,-3609.45 ; 815.75,-3309.45 2315.75,-3309.45 ; 2315.75,-4209.45 2315.75,-3609.45 2315.75,-3009.45 ; 2640.75,-4409.45 2640.75,-4209.45 ; 2640.75,2990.55 2640.75,3190.55 ; 4415.75,-4209.45 4415.75,-3609.45 ; 5315.75,-2509.45 5515.75,-2509.45 ; 5315.75,-609.45 5515.75,-609.45 ; 5315.75,1290.55 5515.75,1290.55 ; 815.75,-4209.45 815.75,-3009.45 2315.75,-3009.45 ; 815.75,-4209.45 5315.75,-4209.45 ; 2315.75,-3009.45 5315.75,-3009.45 5315.75,-4209.45 ; 5315.75,-4209.45 5315.75,2990.55 -5393.7,2992.13 -5393.7,-4212.6 5315.75,-4209.45 ; -5590.55,-4409.45 -5590.55,3188.98 5515.75,3190.55 5515.75,-4409.45 -5590.55,-4409.45
  text "1" at -4557.25,3055.55 h70
  text "2" at -1697.25,3055.55 h70
  text "3" at 1182.75,3055.55 h70
  text "4" at 4052.75,3055.55 h70
  text "A" at -5551.18,2165.35 h70
  text "A" at 5390.75,2149.55 h70
  text "B" at -5511.81,275.59 h70
  text "B" at 5390.75,257.55 h70
  text "C" at 5390.75,-1652.45 h70
  text "C" at -5511.81,-1653.54 h70
  text "ENGINEER:" at 865.75,-3109.45 h45
  text "TITLE:" at 2365.75,-3109.45 h45
  text "F. Baumgartner, L. Jost" at 906.85,-3260.75 h70
  text "PCB DESIGNER:" at 865.75,-3404.45 h45
  text "Fleet-Monitor" at 2381.85,-3427.76 h157.48
  text "D" at 5390.75,-3542.45 h70
  text "D" at -5511.81,-3543.31 h70
  text "F. Baumgartner, L. Jost" at 906.85,-3560.75 h70
  text "DATE:" at 865.75,-3709.45 h45
  text "PART NO.:" at 2365.75,-3709.45 h45
  text "REV:" at 4465.75,-3709.45 h45
  text "13.10.2021" at 915.75,-3829.45 h70
  text "1/1" at 2356.85,-3860.75 h70
  text "V1.0" at 4456.85,-3860.75 h70
  text "FILE NAME:" at 865.75,-4009.45 h45
  text "DWG NO:" at 2365.75,-4009.45 h45
  text "SCALE:" at 4465.75,-4009.45 h45
  text "Fleet-Monitor_V1.0.PcbDoc" at 906.85,-4135.75 h62.99
  text "1/1" at 2356.85,-4160.75 h70
  text "1:1" at 4456.85,-4160.75 h70
  text "1" at -4557.25,-4344.45 h70
  text "2" at -1697.25,-4344.45 h70
  text "3" at 1182.75,-4344.45 h70
  text "4" at 4052.75,-4344.45 h70